# Altium PCB PCBrm.PcbDoc (part 3 of 7)
Units mm, origin at the board's own origin, x right, y up, seen from the top; angles counter-clockwise.
Board outline 220.73 x 137.67 mm, 2 copper layers (Top Layer, Bottom Layer); 138 components, 115 nets, 746 pads, 210 vias.
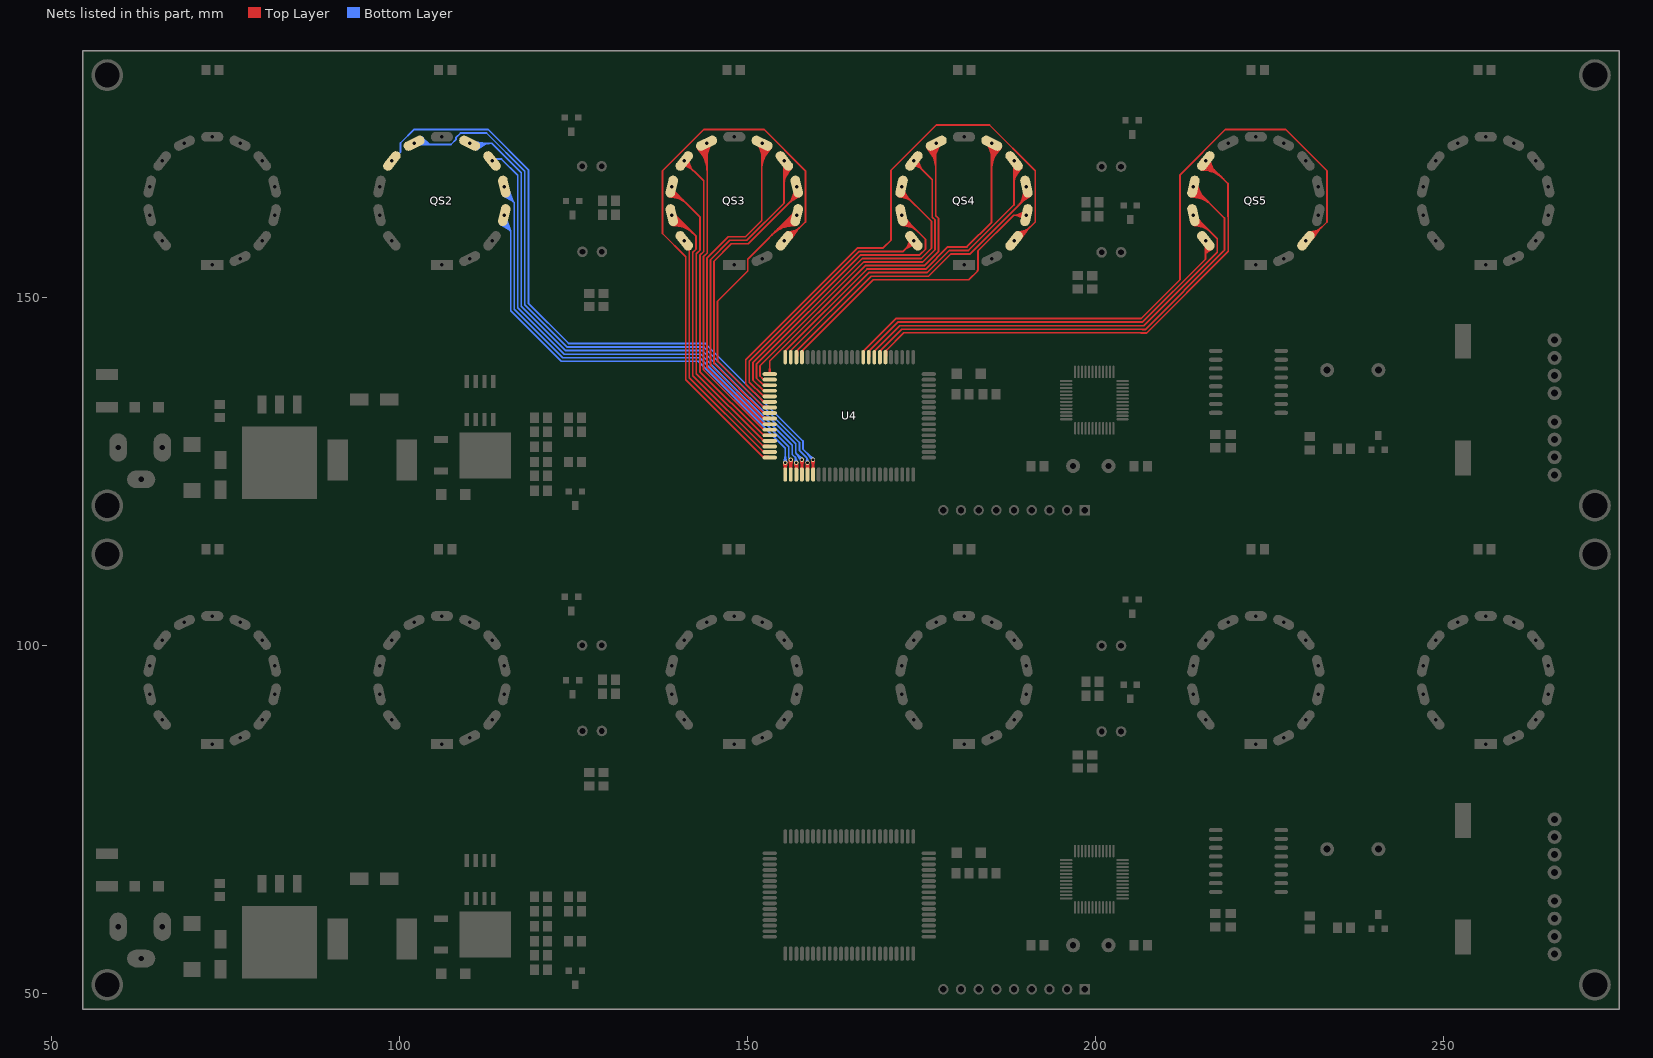
[diagram p3: the nets of this part, all layers, seen from the top]

## Via types
v1: diameter 1.27, hole 0.711, Top Layer to Bottom Layer, 118 vias
v2: diameter 1.016, hole 0.711, Top Layer to Bottom Layer, 52 vias
v3: diameter 0.61, hole 0.381, Top Layer to Bottom Layer, 40 vias

## Nets (pads, with @x,y where several pads share a name; then routed paths per layer and width w, separated by ;. In a path a pad name is that pad's centre, name@x,y a point inside that pad or via, vN(x,y) a via of type N, cw(c..) or ccw(c..) an arc to the next point about the centre after c; other vN are vias at no path point) (continued)
QS2-4: QS2.10 U4.6 | length 124.4
  Top Layer w0.254: v3@159.207,126.707 159.286,125.633 ; v3@159.21,126.672 159.497,125.639 ; v3@159.213,126.662 159.377,126.377 ; v3@159.219,126.643 159.406,126.398 ; U4.6@159.244,125.34 159.392,126.367 ; v3@159.259,126.58 cw(c158.939,126.259) 159.392,126.259 ; U4.6@159.287,125.434 ccw(c159.035,125.687) 159.392,125.687 ccw(c159.749,125.687) U4.6@159.497,125.434 ; U4.6@159.392,124.58 159.392,126.698 v3(159.385,126.705) ; U4.6@159.392,125.33 159.392,126.367 ; 159.392,126.293 cw(c159.797,126.293) v3@159.511,126.58 ; U4.6@159.54,125.34 159.392,126.367 ; v3@159.555,126.653 159.377,126.377 ; v3@159.558,126.666 159.406,126.398 ; v3@159.56,126.675 159.286,125.633 ; v3@159.563,126.709 159.497,125.639 ; v3@159.214,126.655 159.392,126.367 ; v3@159.214,126.655 159.392,126.367 ; v3@159.214,126.655 159.392,126.367 ; 159.286,125.633 v3(159.385,126.705) ; 159.377,126.377 v3(159.385,126.705) ; v3(159.385,126.705) 159.392,125.639 ; v3(159.385,126.705) 159.392,125.639 ; v3(159.385,126.705) 159.392,126.367 ; v3(159.385,126.705) 159.392,126.367 ; v3(159.385,126.705) 159.497,125.639 ; v3(159.385,126.705) 159.392,126.367 ; v3(159.385,126.705) 159.406,126.398 ; 159.392,125.639 159.208,126.689 159.392,125.639 ; 159.392,125.639 159.562,126.692 159.392,125.639 ; 159.392,126.367 v3@159.558,126.662 ; 159.392,126.367 v3@159.558,126.662 ; 159.392,126.367 v3@159.558,126.662
  Bottom Layer w0.254: QS2.10@98.832,169.602 100.126,170.896 100.126,172.206 102.069,174.149 112.692,174.149 118.491,168.35 118.491,149.17 124.268,143.393 143.929,143.393 157.932,129.39 157.932,128.246 159.385,126.793 v3(159.385,126.705) ; 159.019,127.159 cw(c158.565,126.705) v3@159.207,126.705 ; v3@159.227,126.625 159.121,127.026 ; v3@159.244,126.597 158.592,127.587 ; v3@159.41,126.68 v3(159.385,126.705) ; v3@159.495,126.845 159.121,127.026 ; v3@159.508,126.834 158.592,127.587 ; 158.592,127.587 v3(159.385,126.705) ; 159.121,127.026 v3(159.385,126.705)
QS2-5: QS2.9 U4.5 | length 118.1
  Top Layer w0.254: v3@158.415,126.257 U4.5@158.592,125.33 ; v3@158.415,126.259 158.592,125.207 v3@158.769,126.259 ; v3@158.415,126.285 U4.5@158.444,125.341 ; v3@158.42,126.229 U4.5@158.74,125.341 ; v3@158.419,126.232 158.577,125.955 ; v3@158.424,126.216 158.607,125.955 ; v3@158.466,126.148 cw(c158.163,125.844) 158.592,125.844 cw(c159.021,125.844) v3@158.718,126.148 ; U4.5@158.487,125.434 ccw(c158.235,125.687) 158.592,125.687 ccw(c158.949,125.687) U4.5@158.697,125.434 ; U4.5@158.592,124.58 v3(158.592,126.274) ; v3@158.76,126.216 158.577,125.955 ; v3@158.764,126.229 U4.5@158.444,125.341 ; v3@158.765,126.232 158.607,125.955 ; v3@158.769,126.257 U4.5@158.592,125.33 ; v3@158.769,126.285 U4.5@158.74,125.341 ; U4.5@158.444,125.341 v3(158.592,126.274) ; U4.5@158.444,125.341 v3(158.592,126.274) ; 158.577,125.955 v3(158.592,126.274) ; U4.5@158.592,125.33 v3(158.592,126.274) ; v3(158.592,126.274) 158.607,125.955 ; v3(158.592,126.274) U4.5@158.74,125.341
  Bottom Layer w0.254: QS2.9@102.033,172.155 102.203,171.985 107.373,171.985 108.11,172.722 108.11,172.999 108.752,173.641 112.482,173.641 117.983,168.14 117.983,148.959 124.058,142.885 143.719,142.885 157.424,129.18 157.424,128.036 158.471,126.989 ; QS2.9@102.786,171.998 104.356,171.985 ; QS2.9@102.809,172.253 104.356,171.985 ; QS2.9@102.895,172.56 104.356,171.985 ; QS2.9@103.041,172.844 104.356,171.985 ; QS2.9@103.199,173.046 104.356,171.985 ; v3@158.414,126.266 158.471,126.989 ; v3@158.414,126.273 158.5,126.77 ; v3@158.592,126.372 v3(158.592,126.274) ; v3@158.717,126.4 cw(c159.299,126.989) 158.471,126.989 ; v3@158.758,126.336 158.5,126.77 ; v3@158.762,126.325 158.471,126.989 ; 158.471,126.989 v3(158.592,126.274) ; 158.471,126.989 158.471,126.395 v3(158.592,126.274) ; 158.5,126.77 v3(158.592,126.274)
QS2-6: QS2.7 U4.4 | length 134.2
  Top Layer w0.254: v3@157.607,126.707 157.686,125.633 ; v3@157.61,126.672 157.897,125.639 ; v3@157.612,126.662 157.777,126.376 ; v3@157.618,126.643 157.806,126.398 ; U4.4@157.644,125.34 157.792,126.367 ; v3@157.659,126.58 cw(c157.338,126.259) 157.792,126.259 ; U4.4@157.687,125.434 ccw(c157.435,125.687) 157.792,125.687 ccw(c158.149,125.687) U4.4@157.897,125.434 ; U4.4@157.792,124.58 157.792,126.698 v3(157.785,126.705) ; U4.4@157.792,125.33 157.792,126.367 ; 157.792,126.294 cw(c158.197,126.294) v3@157.911,126.58 ; U4.4@157.94,125.34 157.792,126.367 ; v3@157.955,126.653 157.777,126.376 ; v3@157.958,126.666 157.806,126.398 ; v3@157.96,126.675 157.686,125.633 ; v3@157.963,126.709 157.897,125.639 ; v3@157.614,126.655 157.792,126.367 ; v3@157.614,126.655 157.792,126.367 ; v3@157.614,126.655 157.792,126.367 ; 157.686,125.633 v3(157.785,126.705) ; 157.777,126.376 v3(157.785,126.705) ; v3(157.785,126.705) 157.792,125.639 ; v3(157.785,126.705) 157.792,125.639 ; v3(157.785,126.705) 157.792,126.367 ; v3(157.785,126.705) 157.792,126.367 ; v3(157.785,126.705) 157.897,125.639 ; v3(157.785,126.705) 157.792,126.367 ; v3(157.785,126.705) 157.806,126.398 ; 157.792,125.639 157.608,126.689 157.792,125.639 ; 157.792,125.639 157.962,126.692 157.792,125.639 ; 157.792,126.367 v3@157.957,126.662 ; 157.792,126.367 v3@157.957,126.662 ; 157.792,126.367 v3@157.957,126.662
  Bottom Layer w0.254: QS2.7@110.017,172.155 113.25,172.155 117.475,167.93 117.475,148.749 123.847,142.377 143.509,142.377 156.916,128.969 156.916,127.659 157.785,126.79 v3(157.785,126.705) ; QS2.7@110.836,172.095 112.459,172.155 ; QS2.7@110.838,172.096 111.996,172.083 ; QS2.7@110.846,172.351 112.459,172.155 ; QS2.7@110.862,172.098 112.289,172.013 ; QS2.7@110.87,172.352 111.996,172.083 ; QS2.7@110.874,171.718 cw(c111.927,170.664) 111.927,172.155 ; QS2.7@110.9,172.352 112.289,172.013 ; QS2.7@110.965,171.472 112.289,172.013 ; QS2.7@110.982,171.478 112.459,172.155 ; QS2.7@111.004,171.486 111.996,172.083 ; QS2.7@111.053,171.538 cw(c112.54,170.051) 112.54,172.155 ; QS2.7@111.083,171.244 112.289,172.013 ; QS2.7@111.107,171.254 112.459,172.155 ; QS2.7@111.161,171.281 111.996,172.083 ; QS2.7@111.233,171.359 cw(c113.154,169.438) 113.154,172.155 ; 157.421,127.154 cw(c156.973,126.705) v3@157.607,126.705 ; v3@157.627,126.624 157.522,127.023 ; v3@157.644,126.597 156.996,127.58 ; v3@157.894,126.846 157.522,127.023 ; v3@157.907,126.834 156.996,127.58 ; QS2.7@110.878,171.779 112.459,172.155 ; QS2.7@110.878,171.779 111.996,172.083 ; QS2.7@110.878,171.779 112.289,172.013 ; 156.996,127.58 v3(157.785,126.705) ; 157.522,127.023 v3(157.785,126.705)
QS2-7: QS2.6 U4.3 | length 94.4
  Top Layer w0.254: v3@156.815,126.257 U4.3@156.992,125.33 ; v3@156.815,126.259 156.992,125.207 v3@157.169,126.259 ; v3@156.815,126.285 U4.3@156.844,125.341 ; v3@156.82,126.229 U4.3@157.14,125.341 ; v3@156.819,126.232 156.977,125.955 ; v3@156.824,126.216 157.007,125.955 ; v3@156.866,126.148 cw(c156.563,125.844) 156.992,125.844 cw(c157.421,125.844) v3@157.118,126.148 ; U4.3@156.887,125.434 ccw(c156.635,125.687) 156.992,125.687 ccw(c157.349,125.687) U4.3@157.097,125.434 ; U4.3@156.992,124.58 v3(156.992,126.274) ; v3@157.16,126.216 156.977,125.955 ; v3@157.164,126.229 U4.3@156.844,125.341 ; v3@157.165,126.232 157.007,125.955 ; v3@157.169,126.257 U4.3@156.992,125.33 ; v3@157.169,126.285 U4.3@157.14,125.341 ; U4.3@156.844,125.341 v3(156.992,126.274) ; U4.3@156.844,125.341 v3(156.992,126.274) ; 156.977,125.955 v3(156.992,126.274) ; U4.3@156.992,125.33 v3(156.992,126.274) ; v3(156.992,126.274) 157.007,125.955 ; v3(156.992,126.274) U4.3@157.14,125.341
  Bottom Layer w0.254: QS2.6@113.728,169.898 114.617,169.898 116.967,167.549 116.967,148.538 123.637,141.869 143.298,141.869 156.408,128.759 156.408,127.449 156.878,126.979 ; v3@156.814,126.267 156.878,126.979 ; v3@156.814,126.275 156.906,126.767 ; v3@156.992,126.372 v3(156.992,126.274) ; v3@157.118,126.399 cw(c157.697,126.979) 156.878,126.979 ; v3@157.159,126.335 156.906,126.767 ; v3@157.163,126.324 156.878,126.979 ; 156.878,126.979 v3(156.992,126.274) ; 156.878,126.979 156.878,126.388 v3(156.992,126.274) ; 156.906,126.767 v3(156.992,126.274)
QS2-8: QS2.5 U4.2 | length 106.6
  Top Layer w0.254: v3@156.014,126.698 156.086,125.626 ; v3@156.017,126.663 156.298,125.626 ; v3@156.019,126.653 156.177,126.377 ; v3@156.024,126.638 156.207,126.377 ; U4.2@156.044,125.34 156.192,126.367 ; v3@156.066,126.569 cw(c155.763,126.266) 156.192,126.266 cw(c156.621,126.266) v3@156.318,126.569 ; U4.2@156.087,125.434 ccw(c155.835,125.687) 156.192,125.687 ccw(c156.549,125.687) U4.2@156.297,125.434 ; U4.2@156.192,124.58 v3(156.192,126.695) ; U4.2@156.192,125.33 156.192,126.367 ; U4.2@156.34,125.34 156.192,126.367 ; v3@156.36,126.638 156.177,126.377 ; v3@156.365,126.653 156.207,126.377 ; v3@156.367,126.663 156.086,125.626 ; v3@156.37,126.698 156.298,125.626 ; v3@156.021,126.647 156.192,126.367 ; v3@156.021,126.647 156.192,126.367 ; v3@156.021,126.647 156.192,126.367 ; 156.086,125.626 v3(156.192,126.695) ; 156.177,126.377 v3(156.192,126.695) ; 156.192,125.628 156.015,126.68 156.192,125.628 ; 156.192,125.628 156.369,126.68 156.192,125.628 ; 156.192,126.367 v3@156.363,126.647 ; 156.192,126.367 v3(156.192,126.695) ; 156.192,126.367 v3@156.363,126.647 ; 156.192,126.367 v3(156.192,126.695) ; 156.192,126.367 v3@156.363,126.647 ; v3(156.192,126.695) 156.298,125.626 ; v3(156.192,126.695) 156.207,126.377
  Bottom Layer w0.254: QS2.5@114.879,164.61 116.33,163.774 ; QS2.5@114.922,164.577 115.993,164.192 ; QS2.5@114.994,165.913 114.994,165.11 116.459,163.646 116.459,148.328 123.426,141.361 143.088,141.361 155.9,128.548 155.9,126.987 v3(156.192,126.695) ; QS2.5@115.023,164.822 116.33,163.774 ; QS2.5@115.037,164.809 115.993,164.192 ; QS2.5@115.195,164.462 cw(c115.195,163.382) 115.959,164.146 ; QS2.5@115.507,165.233 116.33,163.774 ; QS2.5@115.513,165.224 115.993,164.192 ; QS2.5@115.514,165.035 ccw(c116.586,165.035) 115.828,164.277 ; QS2.5@115.739,165.342 116.33,163.774 ; QS2.5@115.758,165.306 115.993,164.192 ; QS2.5@115.768,165.035 ccw(c117.454,165.035) 116.261,163.843 ; 115.993,164.192 115.245,165.051 116.33,163.774
QS2-9: QS2.4 U4.1 | length 102.2
  Top Layer w0.254: v3@155.215,126.259 155.392,125.207 v3@155.569,126.259 ; v3@155.215,126.285 U4.1@155.244,125.341 ; v3@155.215,126.257 U4.1@155.392,125.33 ; v3@155.22,126.229 U4.1@155.54,125.341 ; v3@155.219,126.232 155.377,125.955 ; v3@155.224,126.216 155.407,125.955 ; v3@155.266,126.148 cw(c154.963,125.844) 155.392,125.844 cw(c155.821,125.844) v3@155.518,126.148 ; U4.1@155.287,125.434 ccw(c155.035,125.687) 155.392,125.687 ccw(c155.749,125.687) U4.1@155.497,125.434 ; U4.1@155.392,124.58 v3(155.392,126.274) ; v3@155.56,126.216 155.377,125.955 ; v3@155.564,126.229 U4.1@155.244,125.341 ; v3@155.565,126.232 155.407,125.955 ; v3@155.569,126.257 U4.1@155.392,125.33 ; v3@155.569,126.285 U4.1@155.54,125.341 ; U4.1@155.244,125.341 v3(155.392,126.274) ; 155.377,125.955 v3(155.392,126.274) ; U4.1@155.392,125.33 v3(155.392,126.274) ; v3(155.392,126.274) 155.407,125.955 ; v3(155.392,126.274) U4.1@155.54,125.341
  Bottom Layer w0.254: QS2.4@114.457,160.534 115.913,159.586 ; QS2.4@114.487,160.508 115.629,159.964 ; QS2.4@114.612,160.738 115.913,159.586 ; QS2.4@114.622,160.728 115.629,159.964 ; QS2.4@114.794,160.368 cw(c114.794,159.555) 115.369,160.13 ; QS2.4@114.994,161.818 114.994,160.504 115.951,159.548 115.951,148.118 123.216,140.853 142.877,140.853 155.392,128.338 v3(155.392,126.274) ; QS2.4@115.113,160.941 ccw(c116.454,160.941) 115.506,159.993 ; QS2.4@115.113,161.128 115.913,159.586 ; QS2.4@115.118,161.121 115.629,159.964 ; QS2.4@115.349,161.229 115.913,159.586 ; QS2.4@115.363,161.2 115.629,159.964 ; QS2.4@115.367,160.941 ccw(c117.321,160.941) 115.939,159.559 ; v3@155.215,126.288 155.392,127.34 v3@155.569,126.288 ; v3@155.219,126.315 155.377,126.592 ; v3@155.224,126.331 155.407,126.592 ; v3@155.266,126.399 ccw(c154.963,126.703) 155.392,126.703 ccw(c155.821,126.703) v3@155.518,126.399 ; v3@155.56,126.331 155.377,126.592 ; v3@155.565,126.315 155.407,126.592 ; 115.629,159.964 114.845,160.956 115.913,159.586 ; 155.377,126.592 v3(155.392,126.274) ; v3(155.392,126.274) 155.407,126.592
QS3-0: QS3.3 U4.80 | length 109.9
  Top Layer w0.254: U4.80@152.336,127.129 cw(c152.253,127.256) 152.145,127.149 ; U4.80@153.167,127.005 153.023,127.149 152.145,127.149 ; QS3.3@155.218,158.13 155.566,158.13 158.289,160.852 158.289,168.218 152.36,174.147 143.69,174.147 137.761,168.218 137.761,159.201 141.097,155.865 141.097,138.197 152.145,127.149 ; QS3.3@155.587,159.367 156.939,159.683 ; QS3.3@155.615,159.38 157.114,159.677 ; QS3.3@155.669,159.124 156.939,159.683 ; QS3.3@155.671,159.399 156.756,159.414 ; QS3.3@155.686,159.133 157.114,159.677 ; QS3.3@155.705,159.142 156.756,159.414 ; QS3.3@155.779,158.898 ccw(c155.779,160.24) 156.728,159.291 ; QS3.3@155.779,159.152 ccw(c155.779,161.107) 157.161,159.725 ; QS3.3@155.779,159.406 ccw(c155.779,161.974) 157.595,160.158 ; QS3.3@156.03,158.6 157.114,159.677 ; QS3.3@156.034,158.603 156.756,159.414 ; QS3.3@156.05,158.617 156.939,159.683 ; QS3.3@156.225,158.434 157.114,159.677 ; QS3.3@156.247,158.455 156.756,159.414 ; QS3.3@156.261,158.472 156.939,159.683 ; QS3.3@155.83,158.848 157.114,159.677 ; QS3.3@155.83,158.848 156.939,159.683 ; QS3.3@155.83,158.848 156.756,159.414
QS3-1: QS3.13 U4.79 | length 36.2
  Top Layer w0.254: QS3.13@140.832,158.13 141.605,157.357 141.605,138.489 152.145,127.949 ; U4.79@152.336,127.929 cw(c152.253,128.056) 152.145,127.949 ; U4.79@153.167,127.805 153.023,127.949 152.145,127.949
QS3-2: QS3.12 U4.78 | length 94.8
  Top Layer w0.254: QS3.12@139.099,160.422 140.5,160.184 ; QS3.12@139.162,160.402 140.83,160.264 ; QS3.12@139.165,160.671 140.5,160.184 ; QS3.12@139.203,160.654 140.83,160.264 ; QS3.12@139.233,160.388 140.737,160.482 ; QS3.12@139.239,160.644 140.737,160.482 ; QS3.12@139.256,160.368 cw(c139.256,156.064) 142.299,159.107 ; QS3.12@139.256,160.622 cw(c139.256,156.931) 141.866,159.541 ; QS3.12@139.256,160.876 cw(c139.256,157.799) 141.432,159.975 ; QS3.12@139.256,161.13 cw(c139.256,158.666) 140.998,160.408 ; QS3.12@139.256,161.384 cw(c139.256,159.533) 140.565,160.842 ; QS3.12@139.256,161.638 cw(c139.256,160.4) 140.131,161.275 ; QS3.12@139.256,161.892 cw(c139.256,161.267) QS3.12@139.698,161.709 ; QS3.12@139.278,160.638 140.739,160.668 ; QS3.12@139.299,161.275 140.181,161.136 ; QS3.12@139.306,160.383 140.739,160.668 ; QS3.12@139.308,160.637 140.488,160.8 ; QS3.12@139.37,160.387 140.488,160.8 ; QS3.12@139.378,161.525 140.181,161.136 ; QS3.12@139.391,161.264 140.488,160.8 ; QS3.12@139.403,161.26 140.739,160.668 ; QS3.12@139.426,160.66 140.181,161.136 ; QS3.12@139.439,161.247 140.737,160.482 ; QS3.12@139.466,161.233 140.83,160.264 ; QS3.12@139.509,161.203 140.5,160.184 ; QS3.12@139.516,161.489 140.488,160.8 ; QS3.12@139.528,161.485 140.739,160.668 ; QS3.12@139.587,161.456 140.737,160.482 ; QS3.12@139.588,161.818 142.591,158.816 142.591,156.97 142.113,156.492 142.113,138.781 152.145,128.749 ; QS3.12@139.596,160.462 140.181,161.136 ; QS3.12@139.63,161.43 140.83,160.264 ; QS3.12@139.709,161.365 140.5,160.184 ; U4.78@152.336,128.729 cw(c152.253,128.856) 152.145,128.749 ; U4.78@153.167,128.605 153.023,128.749 152.145,128.749 ; QS3.12@139.307,160.956 140.739,160.668 ; QS3.12@139.307,160.956 140.737,160.482 ; QS3.12@139.307,160.956 140.83,160.264 ; QS3.12@139.307,160.956 140.5,160.184 ; QS3.12@139.307,160.956 140.181,161.136 ; QS3.12@139.307,160.956 140.488,160.8
  Top Layer w0.381: QS3.12@139.056,161.818 QS3.12@139.588,161.818
QS3-3: QS3.11 U4.77 | length 78.3
  Top Layer w0.254: QS3.11@138.68,164.524 140.212,164.176 ; QS3.11@138.739,164.502 140.228,164.349 ; QS3.11@138.757,164.769 140.212,164.176 ; QS3.11@138.787,164.754 140.228,164.349 ; QS3.11@138.833,164.482 140.101,164.607 ; QS3.11@138.834,164.74 140.101,164.607 ; QS3.11@138.844,164.738 139.921,164.685 ; QS3.11@138.855,164.462 cw(c138.855,161.105) 141.23,163.479 ; QS3.11@138.855,164.716 cw(c138.855,161.972) 140.796,163.913 ; QS3.11@138.855,164.97 cw(c138.855,162.839) 140.362,164.346 ; QS3.11@138.855,165.224 cw(c138.855,163.706) 139.929,164.78 ; QS3.11@138.862,164.479 139.921,164.685 ; QS3.11@139.054,165.333 140.101,164.607 ; QS3.11@139.056,165.913 139.056,165.653 143.162,161.546 143.162,156.823 142.621,156.282 142.621,139.073 152.145,129.549 ; QS3.11@139.058,165.331 139.921,164.685 ; QS3.11@139.085,165.315 140.228,164.349 ; QS3.11@139.11,165.296 140.212,164.176 ; QS3.11@139.221,165.529 140.101,164.607 ; QS3.11@139.237,165.519 139.921,164.685 ; QS3.11@139.267,165.496 140.228,164.349 ; QS3.11@139.307,165.461 140.212,164.176 ; U4.77@152.336,129.529 cw(c152.253,129.656) 152.145,129.549 ; U4.77@153.167,129.405 153.023,129.549 152.145,129.549 ; QS3.11@138.906,165.051 140.101,164.607 ; QS3.11@138.906,165.051 140.228,164.349 ; QS3.11@138.906,165.051 140.212,164.176 ; QS3.11@138.906,165.051 139.921,164.685
QS3-4: QS3.10 U4.76 | length 66.4
  Top Layer w0.254: QS3.10@140.55,169.151 141.888,168.546 ; QS3.10@140.564,169.141 141.524,168.843 ; QS3.10@140.611,169.113 141.59,168.91 ; QS3.10@140.673,169.377 141.524,168.843 ; QS3.10@140.675,169.375 141.888,168.546 ; QS3.10@140.696,169.358 141.59,168.91 ; QS3.10@140.832,169.029 cw(c140.832,167.645) 141.81,168.624 cw(c142.788,169.602) QS3.10@141.405,169.602 ; QS3.10@140.832,169.283 cw(c140.832,168.513) 141.377,169.057 cw(c141.921,169.602) QS3.10@141.151,169.602 ; QS3.10@140.832,169.602 143.67,166.764 143.67,156.612 143.129,156.071 143.129,139.365 152.145,130.349 ; QS3.10@141.138,169.809 141.888,168.546 ; QS3.10@141.142,169.804 141.59,168.91 ; QS3.10@141.158,169.779 141.524,168.843 ; QS3.10@141.369,169.92 141.888,168.546 ; QS3.10@141.387,169.889 141.59,168.91 ; QS3.10@141.41,169.841 141.524,168.843 ; U4.76@152.336,130.329 cw(c152.253,130.456) 152.145,130.349 ; U4.76@153.167,130.205 153.023,130.349 152.145,130.349 ; QS3.10@140.883,169.617 141.888,168.546 ; QS3.10@140.883,169.617 141.59,168.91 ; QS3.10@140.883,169.617 141.524,168.843
QS3-5: QS3.9 U4.75 | length 105.6
  Top Layer w0.254: QS3.9@142.748,171.55 143.6,170.318 ; QS3.9@142.787,171.476 143.794,170.405 ; QS3.9@142.817,171.359 cw(c139.532,168.073) 144.178,168.073 ; QS3.9@142.971,171.677 143.6,170.318 ; QS3.9@142.989,171.635 143.794,170.405 ; QS3.9@142.997,171.538 cw(c140.145,168.686) 144.178,168.686 ; QS3.9@143.176,171.718 cw(c140.758,169.3) 144.178,169.3 ; QS3.9@143.356,171.898 cw(c141.371,169.913) 144.178,169.913 ; QS3.9@143.514,172.112 143.968,170.481 ; QS3.9@143.521,172.063 144.083,170.639 ; QS3.9@143.529,172.029 144.178,170.627 ; QS3.9@143.535,172.007 144.103,171.094 ; QS3.9@143.536,172.077 cw(c141.984,170.526) 144.178,170.526 ; QS3.9@143.582,171.859 143.794,170.405 ; QS3.9@143.59,171.815 143.6,170.318 ; QS3.9@143.715,172.257 cw(c142.598,171.139) 144.178,171.139 ; QS3.9@143.765,172.162 143.968,170.481 ; QS3.9@143.767,172.137 144.083,170.639 ; QS3.9@143.77,172.117 144.103,171.094 ; QS3.9@143.769,172.118 144.178,170.627 ; QS3.9@143.838,171.874 143.794,170.405 ; QS3.9@143.846,171.795 143.6,170.318 ; QS3.9@143.895,172.436 cw(c143.211,171.752) QS3.9@144.178,171.752 ; QS3.9@144.033,172.155 144.178,172.01 144.178,156.402 143.637,155.861 143.637,139.657 152.145,131.149 ; QS3.9@144.399,172.118 143.968,170.481 ; QS3.9@144.4,172.128 144.103,171.094 ; QS3.9@144.401,172.136 144.083,170.639 ; QS3.9@144.403,172.156 144.178,170.627 ; QS3.9@144.639,172.027 144.103,171.094 ; QS3.9@144.641,172.034 143.968,170.481 ; QS3.9@144.647,172.062 144.083,170.639 ; QS3.9@144.653,172.098 144.178,170.627 ; U4.75@152.336,131.129 cw(c152.253,131.256) 152.145,131.149 ; U4.75@153.167,131.005 153.023,131.149 152.145,131.149 ; 143.6,170.318 143.273,171.779 143.794,170.405 ; 143.968,170.481 QS3.9@144.084,172.17 ; 144.083,170.639 QS3.9@144.084,172.17 ; QS3.9@144.084,172.17 144.178,170.627 ; QS3.9@144.084,172.17 144.103,171.094
QS3-6: QS3.7 U4.74 | length 103.9
  Top Layer w0.254: QS3.7@151.501,172.082 152.017,170.631 ; QS3.7@151.508,172.046 152.143,170.499 ; QS3.7@151.511,172.032 152.096,170.861 ; QS3.7@151.529,171.973 152.075,171.316 ; QS3.7@151.749,172.147 152.017,170.631 ; QS3.7@151.752,172.125 152.143,170.499 ; QS3.7@151.752,172.124 152.096,170.861 ; QS3.7@151.755,172.108 152.075,171.316 ; 152.017,168.423 cw(c156.169,168.423) QS3.7@153.233,171.359 ; 152.017,169.036 cw(c155.555,169.036) QS3.7@153.053,171.538 ; 152.017,169.649 cw(c154.942,169.649) QS3.7@152.874,171.718 ; 152.017,170.263 cw(c154.329,170.263) QS3.7@152.694,171.898 ; 152.017,170.876 cw(c153.716,170.876) QS3.7@152.514,172.077 ; QS3.7@152.017,171.489 cw(c153.103,171.489) QS3.7@152.335,172.257 ; QS3.7@152.017,172.102 cw(c152.489,172.102) QS3.7@152.155,172.436 ; QS3.7@152.017,172.155 152.017,161.069 149.681,158.733 147.228,158.733 144.145,155.65 144.145,139.949 152.145,131.949 ; QS3.7@152.307,171.82 152.489,170.347 ; QS3.7@152.318,171.897 152.302,170.429 ; U4.74@152.336,131.929 cw(c152.253,132.056) 152.145,131.949 ; QS3.7@152.381,172.113 152.075,171.316 ; QS3.7@152.384,172.126 152.017,170.631 ; QS3.7@152.385,172.138 152.096,170.861 ; QS3.7@152.386,172.154 152.143,170.499 ; QS3.7@152.563,171.829 152.489,170.347 ; QS3.7@152.573,171.872 152.302,170.429 ; QS3.7@152.609,171.982 152.075,171.316 ; QS3.7@152.627,172.045 152.017,170.631 ; QS3.7@152.629,172.056 152.096,170.861 ; QS3.7@152.636,172.097 152.143,170.499 ; QS3.7@153.156,171.623 152.302,170.429 ; U4.74@153.167,131.805 153.023,131.949 152.145,131.949 ; QS3.7@153.175,171.663 152.489,170.347 ; QS3.7@153.351,171.456 152.302,170.429 ; QS3.7@153.392,171.525 152.489,170.347 ; 152.017,170.631 QS3.7@152.068,172.17 ; QS3.7@152.068,172.17 152.096,170.861 ; QS3.7@152.068,172.17 152.143,170.499 ; QS3.7@152.068,172.17 152.075,171.316 ; 152.302,170.429 152.878,171.779 152.489,170.347
QS3-7: QS3.6 U4.73 | length 86.9
  Top Layer w0.254: U4.73@152.336,132.729 cw(c152.253,132.856) 152.145,132.749 ; U4.73@153.167,132.605 153.023,132.749 152.145,132.749 ; 155.218,166.16 cw(c158.517,166.16) QS3.6@156.184,168.493 ; 155.218,166.773 cw(c157.904,166.773) QS3.6@156.005,168.672 ; 155.218,167.386 cw(c157.291,167.386) QS3.6@155.825,168.852 ; 155.218,168 cw(c156.677,168) QS3.6@155.645,169.032 ; QS3.6@155.218,169.602 155.218,163.552 149.891,158.225 147.438,158.225 144.653,155.44 144.653,140.241 152.145,132.749 ; QS3.6@155.259,168.96 155.407,167.26 ; QS3.6@155.264,169.003 155.309,167.468 ; QS3.6@155.274,169.051 155.288,167.923 ; QS3.6@155.276,169.062 155.218,167.743 ; QS3.6@155.309,169.153 155.268,168.377 ; QS3.6@155.515,168.963 155.407,167.26 ; QS3.6@155.52,168.99 155.309,167.468 ; QS3.6@155.531,169.025 155.288,167.923 ; QS3.6@155.531,169.026 155.218,167.743 ; QS3.6@155.567,169.094 155.268,168.377 ; QS3.6@155.998,168.642 155.268,168.377 ; QS3.6@156.044,168.382 155.268,168.377 ; QS3.6@156.085,168.722 155.288,167.923 ; QS3.6@156.093,168.732 155.218,167.743 ; QS3.6@156.117,168.775 155.309,167.468 ; QS3.6@156.13,168.806 155.407,167.26 ; QS3.6@156.246,168.52 155.288,167.923 ; QS3.6@156.268,168.544 155.218,167.743 ; QS3.6@156.323,168.622 155.309,167.468 ; QS3.6@156.353,168.68 155.407,167.26 ; 155.218,167.743 QS3.6@155.83,168.913 ; 155.268,168.377 QS3.6@155.83,168.913 ; 155.288,167.923 QS3.6@155.83,168.913 ; 155.309,167.468 QS3.6@155.83,168.913 ; 155.407,167.26 QS3.6@155.83,168.913
QS3-8: QS3.5 U4.72 | length 61.3
  Top Layer w0.254: U4.72@152.336,133.529 cw(c152.253,133.656) 152.145,133.549 ; U4.72@153.167,133.405 153.023,133.549 152.145,133.549 ; 156.057,163.673 ccw(c154.695,165.035) QS3.5@156.622,165.035 ; 156.491,164.107 ccw(c155.562,165.035) QS3.5@156.876,165.035 ; 156.601,164.216 cw(c157.195,163.622) QS3.5@157.195,164.462 ; QS3.5@156.747,165.332 156.363,164.072 ; QS3.5@156.752,165.342 156.163,163.779 ; QS3.5@156.984,165.233 156.163,163.779 ; QS3.5@156.984,165.234 156.363,164.072 ; QS3.5@156.994,165.913 157.353,165.554 157.353,164.969 150.102,157.717 147.649,157.717 145.161,155.23 145.161,140.533 152.145,133.549 ; QS3.5@157.455,164.81 156.363,164.072 ; QS3.5@157.467,164.822 156.163,163.779 ; QS3.5@157.577,164.584 156.363,164.072 ; QS3.5@157.612,164.61 156.163,163.779 ; 156.163,163.779 157.245,165.051 156.363,164.072
QS3-9: QS3.4 U4.71 | length 112.5
  Top Layer w0.254: U4.71@152.336,134.329 cw(c152.253,134.456) 152.145,134.349 ; U4.71@153.167,134.205 153.023,134.349 152.145,134.349 ; 153.474,158.993 cw(c156.794,155.673) QS3.4@156.794,160.368 ; 153.908,159.426 cw(c156.794,156.54) QS3.4@156.794,160.622 ; 154.342,159.86 cw(c156.794,157.408) QS3.4@156.794,160.876 ; 154.775,160.294 cw(c156.794,158.275) QS3.4@156.794,161.13 ; 155.209,160.727 cw(c156.794,159.142) QS3.4@156.794,161.384 ; 155.642,161.161 cw(c156.794,160.009) QS3.4@156.794,161.638 ; 156.076,161.595 cw(c156.794,160.876) QS3.4@156.794,161.892 ; QS3.4@156.439,160.552 155.98,161.42 ; QS3.4@156.458,161.379 155.61,160.216 ; QS3.4@156.544,161.444 155.296,160.337 ; QS3.4@156.597,161.473 155.378,160.569 ; QS3.4@156.646,160.419 155.673,161.084 ; QS3.4@156.651,160.703 155.98,161.42 ; QS3.4@156.652,161.21 155.61,160.216 ; QS3.4@156.661,161.499 155.463,160.791 ; QS3.4@156.673,161.503 155.228,160.747 ; QS3.4@156.699,161.24 155.296,160.337 ; QS3.4@156.732,161.254 155.378,160.569 ; QS3.4@156.767,161.524 155.673,161.084 ; QS3.4@156.768,160.647 155.673,161.084 ; QS3.4@156.771,161.266 155.463,160.791 ; QS3.4@156.773,161.267 155.228,160.747 ; QS3.4@156.777,162.34 156.286,161.756 ; QS3.4@156.795,160.385 155.463,160.791 ; QS3.4@156.817,160.384 155.228,160.747 ; QS3.4@156.836,161.275 155.673,161.084 ; QS3.4@156.846,160.637 155.463,160.791 ; QS3.4@156.855,160.637 155.228,160.747 ; QS3.4@156.884,160.384 155.378,160.569 ; QS3.4@156.885,161.283 156.286,161.756 ; QS3.4@156.893,160.641 155.378,160.569 ; QS3.4@156.934,160.65 155.296,160.337 ; QS3.4@156.947,162.137 156.286,161.756 ; QS3.4@156.948,161.258 155.98,161.42 ; QS3.4@156.956,161.518 155.98,161.42 ; QS3.4@156.963,160.395 155.296,160.337 ; QS3.4@156.978,160.666 155.61,160.216 ; QS3.4@156.994,161.818 156.3,161.818 ; QS3.4@157.011,161.516 156.286,161.756 ; QS3.4@157.036,160.416 155.61,160.216 ; 152.145,134.349 145.669,140.825 145.669,149.471 150.006,153.808 150.006,155.525 156.3,161.818 ; 155.228,160.747 QS3.4@156.845,160.956 ; 155.296,160.337 QS3.4@156.845,160.956 ; 155.378,160.569 QS3.4@156.845,160.956 ; 155.463,160.791 QS3.4@156.845,160.956 ; 155.61,160.216 QS3.4@156.845,160.956 ; 155.673,161.084 QS3.4@156.845,160.956 ; 155.98,161.42 QS3.4@156.845,160.956 ; 156.286,161.756 QS3.4@157.045,161.834 ; 156.3,161.818 QS3.4@157.045,161.834 ; 156.3,161.818 156.971,162.144 156.3,161.818 ; 156.3,161.818 156.983,161.521 156.3,161.818 ; 156.3,161.818 156.814,162.358 156.3,161.818 ; 156.3,161.818 156.836,161.3 156.3,161.818 ; 156.3,161.818 QS3.4@157.045,161.834
QS4-0: QS4.3 U4.70 | length 108.7
  Top Layer w0.254: U4.70@152.336,135.129 cw(c152.253,135.256) 152.145,135.149 ; U4.70@153.167,135.005 153.023,135.149 152.145,135.149 ; QS4.3@188.238,158.13 188.894,158.786 189.242,158.786 191.309,160.852 191.309,168.218 184.739,174.788 177.114,174.788 170.586,168.26 170.586,158.252 169.469,157.135 165.827,157.135 149.729,141.036 149.729,137.565 152.145,135.149 ; QS4.3@188.591,159.369 189.944,159.676 ; QS4.3@188.618,159.38 190.135,159.678 ; QS4.3@188.671,159.125 189.944,159.676 ; QS4.3@188.674,159.4 189.776,159.414 ; QS4.3@188.688,159.134 190.135,159.678 ; QS4.3@188.708,159.143 189.776,159.414 ; QS4.3@188.799,158.898 ccw(c188.799,160.24) 189.748,159.291 ; QS4.3@188.799,159.152 ccw(c188.799,161.107) 190.181,159.725 ; QS4.3@188.799,159.406 ccw(c188.799,161.974) 190.615,160.158 ; QS4.3@189.029,158.598 190.135,159.678 ; QS4.3@189.032,158.601 189.776,159.414 ; QS4.3@189.049,158.616 189.944,159.676 ; QS4.3@189.222,158.43 190.135,159.678 ; QS4.3@189.242,158.45 189.776,159.414 ; QS4.3@189.26,158.469 189.944,159.676 ; QS4.3@188.831,158.848 190.135,159.678 ; QS4.3@188.831,158.848 189.944,159.676 ; QS4.3@188.831,158.848 189.776,159.414
QS4-1: QS4.13 U4.69 | length 59
  Top Layer w0.254: U4.69@152.336,135.929 cw(c152.253,136.056) 152.145,135.949 ; U4.69@153.167,135.805 153.023,135.949 152.145,135.949 ; QS4.13@173.279,158.129 cw(c171.896,158.129) 172.874,157.151 cw(c173.852,156.173) QS4.13@173.852,157.556 ; QS4.13@173.375,158.408 173.16,157.371 ; QS4.13@173.4,158.453 173.094,157.438 ; QS4.13@173.41,158.467 172.839,157.116 ; QS4.13@173.533,158.129 cw(c172.763,158.129) 173.308,157.585 cw(c173.852,157.04) QS4.13@173.852,157.81 ; QS4.13@173.621,158.325 173.16,157.371 ; QS4.13@173.637,158.346 172.839,157.116 ; QS4.13@173.638,158.348 173.094,157.438 ; QS4.13@173.852,158.13 172.349,156.627 166.038,156.627 150.237,140.826 150.237,137.857 152.145,135.949 ; QS4.13@174.058,157.878 173.094,157.438 ; QS4.13@174.136,157.63 173.094,157.438 ; QS4.13@174.181,157.655 173.16,157.371 ; QS4.13@174.198,157.666 172.839,157.116 ; 172.839,157.116 QS4.13@173.884,158.145 ; 172.839,157.116 174.081,157.894 173.16,157.371 ; 173.094,157.438 QS4.13@173.884,158.145 ; 173.16,157.371 QS4.13@173.884,158.145
QS4-2: QS4.12 U4.68 | length 75.7
  Top Layer w0.254: U4.68@152.336,136.729 cw(c152.253,136.856) 152.145,136.749 ; U4.68@153.167,136.605 153.023,136.749 152.145,136.749 ; QS4.12@172.073,160.433 173.466,160.124 ; QS4.12@172.076,161.818 175.547,158.347 175.547,156.956 174.71,156.119 166.248,156.119 150.745,140.616 150.745,138.149 152.145,136.749 ; QS4.12@172.14,160.408 173.478,160.3 ; QS4.12@172.151,160.678 173.466,160.124 ; QS4.12@172.162,160.402 173.563,160.331 ; QS4.12@172.186,160.661 173.478,160.3 ; QS4.12@172.199,160.656 173.563,160.331 ; QS4.12@172.25,160.642 173.172,160.636 ; QS4.12@172.276,160.368 cw(c172.276,157.35) 174.41,159.484 ; QS4.12@172.276,160.622 cw(c172.276,158.217) 173.976,159.918 ; QS4.12@172.276,160.876 cw(c172.276,159.084) 173.543,160.351 ; QS4.12@172.276,161.13 cw(c172.276,159.951) 173.109,160.785 ; QS4.12@172.285,160.384 173.172,160.636 ; QS4.12@172.468,161.232 173.172,160.636 ; QS4.12@172.481,161.224 173.563,160.331 ; QS4.12@172.495,161.214 173.478,160.3 ; QS4.12@172.522,161.193 173.466,160.124 ; QS4.12@172.662,161.406 173.563,160.331 ; QS4.12@172.664,161.405 173.172,160.636 ; QS4.12@172.688,161.385 173.478,160.3 ; QS4.12@172.729,161.345 173.466,160.124 ; QS4.12@172.308,160.956 173.563,160.331 ; QS4.12@172.308,160.956 173.478,160.3 ; QS4.12@172.308,160.956 173.466,160.124 ; QS4.12@172.308,160.956 173.172,160.636
QS4-3: QS4.11 U4.67 | length 71.2
  Top Layer w0.254: U4.67@152.336,137.529 cw(c152.253,137.656) 152.145,137.549 ; U4.67@153.167,137.405 153.023,137.549 152.145,137.549 ; QS4.11@171.65,164.538 173.087,164.138 ; QS4.11@171.699,164.516 173.038,164.303 ; QS4.11@171.734,164.504 172.781,164.474 ; QS4.11@171.74,164.779 173.087,164.138 ; QS4.11@171.764,164.766 173.038,164.303 ; QS4.11@171.774,164.761 172.781,164.474 ; QS4.11@171.875,164.462 cw(c171.875,162.039) 173.589,163.753 ; QS4.11@171.875,164.716 cw(c171.875,162.906) 173.155,164.186 ; QS4.11@171.875,164.97 cw(c171.875,163.773) 172.722,164.62 ; QS4.11@172.076,165.913 172.076,165.266 176.403,160.939 176.403,157.094 174.92,155.611 166.458,155.611 151.253,140.405 151.253,138.441 152.145,137.549 ; QS4.11@172.113,165.294 173.038,164.303 ; QS4.11@172.121,165.287 172.781,164.474 ; QS4.11@172.128,165.281 173.087,164.138 ; QS4.11@172.317,165.451 173.038,164.303 ; QS4.11@172.338,165.428 173.087,164.138 ; QS4.11@172.342,165.424 172.781,164.474 ; QS4.11@172.448,165.035 ccw(c172.792,165.035) QS4.11@172.549,164.793 ; QS4.11@171.907,165.051 173.038,164.303 ; QS4.11@171.907,165.051 172.781,164.474 ; QS4.11@171.907,165.051 173.087,164.138
QS4-4: QS4.10 U4.66 | length 70.2
  Top Layer w0.254: U4.66@152.336,138.329 cw(c152.253,138.456) 152.145,138.349 ; U4.66@153.167,138.205 153.023,138.349 152.145,138.349 ; QS4.10@173.555,169.148 174.898,168.556 ; QS4.10@173.57,169.137 174.544,168.843 ; QS4.10@173.617,169.11 174.61,168.91 ; QS4.10@173.677,169.374 174.544,168.843 ; QS4.10@173.678,169.373 174.898,168.556 ; QS4.10@173.7,169.356 174.61,168.91 ; QS4.10@173.852,169.029 cw(c173.852,167.645) 174.83,168.624 cw(c175.808,169.602) QS4.10@174.425,169.602 ; QS4.10@173.852,169.283 cw(c173.852,168.513) 174.397,169.057 cw(c174.941,169.602) QS4.10@174.171,169.602 ; QS4.10@173.852,169.602 176.524,166.93 176.524,161.536 176.911,161.149 176.911,156.883 175.13,155.103 166.669,155.103 151.761,140.195 151.761,138.733 152.145,138.349 ; QS4.10@174.137,169.811 174.898,168.556 ; QS4.10@174.139,169.808 174.61,168.91 ; QS4.10@174.156,169.783 174.544,168.843 ; QS4.10@174.367,169.924 174.898,168.556 ; QS4.10@174.383,169.898 174.61,168.91 ; QS4.10@174.407,169.851 174.544,168.843 ; QS4.10@173.884,169.617 174.898,168.556 ; QS4.10@173.884,169.617 174.61,168.91 ; QS4.10@173.884,169.617 174.544,168.843
QS4-5: QS4.9 U4.65 | length 100.9
  Top Layer w0.254: U4.65@153.019,139.015 153.167,140.042 U4.65@153.315,139.015 ; U4.65@153.062,139.109 ccw(c152.81,139.362) 153.167,139.362 ccw(c153.524,139.362) U4.65@153.272,139.109 ; U4.65@153.167,139.005 153.167,140.882 166.879,154.595 175.341,154.595 177.419,156.673 177.419,161.359 177.032,161.746 177.032,172.133 QS4.9@177.053,172.155 ; QS4.9@175.748,171.552 176.595,170.312 ; QS4.9@175.784,171.483 176.777,170.392 ; QS4.9@175.837,171.359 cw(c172.953,168.474) 177.032,168.474 ; QS4.9@175.971,171.678 176.595,170.312 ; QS4.9@175.988,171.639 176.777,170.392 ; QS4.9@176.017,171.538 cw(c173.566,169.088) 177.032,169.088 ; QS4.9@176.196,171.718 cw(c174.179,169.701) 177.032,169.701 ; QS4.9@176.376,171.898 cw(c174.792,170.314) 177.032,170.314 ; QS4.9@176.514,172.126 176.929,170.459 ; QS4.9@176.516,172.099 176.956,170.894 ; QS4.9@176.519,172.083 177.032,170.627 ; QS4.9@176.556,172.077 cw(c175.406,170.927) 177.032,170.927 ; QS4.9@176.584,171.855 176.777,170.392 ; QS4.9@176.591,171.814 176.595,170.312 ; QS4.9@176.735,172.257 cw(c176.019,171.54) QS4.9@177.032,171.54 ; QS4.9@176.767,172.148 177.032,170.627 ; QS4.9@176.766,172.162 176.956,170.894 ; QS4.9@176.766,172.169 176.929,170.459 ; QS4.9@176.84,171.866 176.777,170.392 ; QS4.9@176.847,171.793 176.595,170.312 ; QS4.9@176.915,172.436 cw(c176.632,172.154) QS4.9@177.032,172.154 ; QS4.9@177.396,172.098 176.956,170.894 ; QS4.9@177.399,172.111 176.929,170.459 ; QS4.9@177.401,172.126 177.032,170.627 ; QS4.9@177.628,171.986 176.956,170.894 ; QS4.9@177.639,172.023 176.929,170.459 ; QS4.9@177.644,172.044 177.032,170.627 ; 176.595,170.312 176.274,171.779 176.777,170.392 ; 176.929,170.459 QS4.9@177.085,172.17 ; 176.956,170.894 QS4.9@177.085,172.17 ; 177.032,170.627 QS4.9@177.085,172.17
QS4-6: QS4.7 U4.64 | length 104
  Top Layer w0.254: U4.64@155.392,141.43 155.392,142.347 167.132,154.087 175.551,154.087 178.735,157.271 181.496,157.271 185.037,160.812 QS4.7@185.037,172.155 ; QS4.7@184.503,172.075 185.037,170.631 ; QS4.7@184.51,172.041 185.16,170.491 ; QS4.7@184.514,172.024 185.116,170.861 ; QS4.7@184.535,171.961 185.095,171.316 ; QS4.7@184.75,172.143 185.037,170.631 ; QS4.7@184.753,172.119 185.116,170.861 ; QS4.7@184.753,172.122 185.16,170.491 ; QS4.7@184.757,172.101 185.095,171.316 ; 185.037,168.423 cw(c189.189,168.423) QS4.7@186.253,171.359 ; 185.037,169.036 cw(c188.575,169.036) QS4.7@186.073,171.538 ; 185.037,169.649 cw(c187.962,169.649) QS4.7@185.894,171.718 ; 185.037,170.263 cw(c187.349,170.263) QS4.7@185.714,171.898 ; 185.037,170.876 cw(c186.736,170.876) QS4.7@185.534,172.077 ; QS4.7@185.037,171.489 cw(c186.123,171.489) QS4.7@185.355,172.257 ; QS4.7@185.037,172.102 cw(c185.509,172.102) QS4.7@185.175,172.436 ; QS4.7@185.307,171.814 185.505,170.339 ; QS4.7@185.317,171.89 185.319,170.421 ; QS4.7@185.383,172.12 185.095,171.316 ; QS4.7@185.385,172.13 185.037,170.631 ; QS4.7@185.386,172.142 185.116,170.861 ; QS4.7@185.387,172.157 185.16,170.491 ; QS4.7@185.564,171.826 185.505,170.339 ; QS4.7@185.573,171.868 185.319,170.421 ; QS4.7@185.614,171.994 185.095,171.316 ; QS4.7@185.629,172.052 185.037,170.631 ; QS4.7@185.632,172.065 185.116,170.861 ; QS4.7@185.637,172.103 185.16,170.491 ; QS4.7@186.159,171.626 185.319,170.421 ; QS4.7@186.178,171.666 185.505,170.339 ; QS4.7@186.356,171.462 185.319,170.421 ; QS4.7@186.396,171.531 185.505,170.339 ; 185.037,170.631 QS4.7@185.068,172.17 ; QS4.7@185.068,172.17 185.116,170.861 ; QS4.7@185.068,172.17 185.16,170.491 ; QS4.7@185.068,172.17 185.095,171.316 ; 185.319,170.421 185.879,171.779 185.505,170.339
QS4-7: QS4.6 U4.63 | length 87.4
  Top Layer w0.254: U4.63@156.192,141.43 156.192,142.385 167.386,153.579 175.762,153.579 178.946,156.763 181.706,156.763 188.238,163.294 QS4.6@188.238,169.602 ; 188.238,166.16 cw(c191.537,166.16) QS4.6@189.204,168.493 ; 188.238,166.773 cw(c190.924,166.773) QS4.6@189.025,168.672 ; 188.238,167.386 cw(c190.311,167.386) QS4.6@188.845,168.852 ; 188.238,168 cw(c189.697,168) QS4.6@188.665,169.032 ; QS4.6@188.259,168.95 188.44,167.297 ; QS4.6@188.264,168.996 188.329,167.468 ; QS4.6@188.272,169.042 188.308,167.923 ; QS4.6@188.275,169.054 188.238,167.739 ; QS4.6@188.304,169.14 188.288,168.377 ; QS4.6@188.515,168.958 188.44,167.297 ; QS4.6@188.52,168.986 188.329,167.468 ; QS4.6@188.53,169.02 188.308,167.923 ; QS4.6@188.53,169.021 188.238,167.739 ; QS4.6@188.564,169.088 188.288,168.377 ; QS4.6@189.002,168.644 188.288,168.377 ; QS4.6@189.05,168.384 188.288,168.377 ; QS4.6@189.089,168.726 188.308,167.923 ; QS4.6@189.096,168.736 188.238,167.739 ; QS4.6@189.119,168.778 188.329,167.468 ; QS4.6@189.132,168.809 188.44,167.297 ; QS4.6@189.252,168.525 188.308,167.923 ; QS4.6@189.274,168.55 188.238,167.739 ; QS4.6@189.327,168.627 188.329,167.468 ; QS4.6@189.356,168.685 188.44,167.297 ; 188.238,167.739 QS4.6@188.831,168.913 ; 188.288,168.377 QS4.6@188.831,168.913 ; 188.308,167.923 QS4.6@188.831,168.913 ; 188.329,167.468 QS4.6@188.831,168.913 ; 188.44,167.297 QS4.6@188.831,168.913
QS4-8: QS4.5 U4.62 | length 70.8
  Top Layer w0.254: U4.62@156.992,141.43 157.136,141.574 157.136,142.451 ; U4.62@157.116,142.26 cw(c157.244,142.344) 157.136,142.451 ; 188.895,163.233 ccw(c187.093,165.035) QS4.5@189.642,165.035 ; 189.329,163.667 ccw(c187.96,165.035) QS4.5@189.896,165.035 ; QS4.5@189.7,165.223 189.636,164.068 ; QS4.5@189.721,165.28 189.331,163.669 ; QS4.5@189.73,165.299 189.392,163.935 ; 189.762,164.1 ccw(c188.827,165.035) QS4.5@190.15,165.035 ; QS4.5@189.888,164.564 cw(c189.721,164.324) 190.014,164.324 ; QS4.5@189.955,165.18 189.636,164.068 ; QS4.5@189.965,165.2 189.331,163.669 ; QS4.5@189.973,165.215 189.392,163.935 ; QS4.5@190.014,165.913 190.014,164.352 181.957,156.296 181.957,156.256 181.956,156.255 179.156,156.255 175.972,153.071 167.755,153.071 157.136,142.451 ; QS4.5@190.476,164.829 189.392,163.935 ; QS4.5@190.491,164.847 189.636,164.068 ; QS4.5@190.494,164.85 189.331,163.669 ; QS4.5@190.621,164.617 189.392,163.935 ; QS4.5@190.643,164.637 189.636,164.068 ; QS4.5@190.662,164.656 189.331,163.669 ; 189.331,163.669 QS4.5@190.246,165.051 ; 189.392,163.935 QS4.5@190.246,165.051 ; 189.636,164.068 QS4.5@190.246,165.051
QS4-9: QS4.4 U4.61 | length 64.4
  Top Layer w0.254: U4.61@157.792,141.43 157.936,141.574 157.936,142.451 ; U4.61@157.916,142.26 cw(c158.044,142.344) 157.936,142.451 ; QS4.4@189.609,161.413 ccw(c188.631,160.435) 188.631,161.818 ccw(c188.631,163.202) QS4.4@189.609,162.224 ; QS4.4@189.789,161.593 ccw(c189.244,161.048) 189.244,161.818 ccw(c189.244,162.589) QS4.4@189.789,162.044 ; QS4.4@189.859,162.375 188.989,161.771 ; QS4.4@189.874,161.287 188.989,161.866 ; QS4.4@189.907,162.39 188.989,161.866 ; QS4.4@189.924,161.274 188.989,161.771 ; QS4.4@189.929,162.395 188.565,161.818 ; QS4.4@189.941,161.27 188.565,161.818 ; QS4.4@189.979,162.146 188.989,161.771 ; QS4.4@189.988,161.52 188.989,161.866 ; QS4.4@190.007,162.15 188.989,161.866 ; QS4.4@190.008,162.15 188.565,161.818 ; QS4.4@190.015,161.516 188.565,161.818 ; QS4.4@190.014,161.818 188.199,161.818 183.07,156.69 183.07,153.96 183.026,153.915 183.026,153.808 181.781,152.563 168.047,152.563 157.936,142.451 ; QS4.4@190.017,161.516 188.989,161.771 ; 188.565,161.818 QS4.4@190.046,161.834 ; 188.989,161.771 QS4.4@190.046,161.834 ; 188.989,161.866 QS4.4@190.046,161.834
QS5-0: QS5.3 U4.50 | length 128
  Top Layer w0.254: U4.50@166.592,141.43 166.736,141.574 166.736,142.451 ; U4.50@166.716,142.26 cw(c166.844,142.344) 166.736,142.451 ; QS5.3@230.496,158.13 233.219,160.852 233.219,168.218 227.29,174.147 218.62,174.147 212.115,167.642 212.115,152.592 206.498,146.975 171.259,146.975 166.736,142.451 ; QS5.3@230.517,159.367 231.869,159.683 ; QS5.3@230.545,159.38 232.044,159.677 ; QS5.3@230.599,159.124 231.869,159.683 ; QS5.3@230.601,159.399 231.686,159.414 ; QS5.3@230.616,159.133 232.044,159.677 ; QS5.3@230.635,159.142 231.686,159.414 ; QS5.3@230.709,158.898 ccw(c230.709,160.24) 231.658,159.291 ; QS5.3@230.709,159.152 ccw(c230.709,161.107) 232.091,159.725 ; QS5.3@230.709,159.406 ccw(c230.709,161.974) 232.525,160.158 ; QS5.3@230.96,158.6 232.044,159.677 ; QS5.3@230.964,158.603 231.686,159.414 ; QS5.3@230.98,158.617 231.869,159.683 ; QS5.3@231.155,158.434 232.044,159.677 ; QS5.3@231.177,158.455 231.686,159.414 ; QS5.3@231.191,158.472 231.869,159.683 ; QS5.3@230.76,158.848 232.044,159.677 ; QS5.3@230.76,158.848 231.869,159.683 ; QS5.3@230.76,158.848 231.686,159.414
QS5-1: QS5.13 U4.49 | length 64.2
  Top Layer w0.254: U4.49@167.392,141.43 167.536,141.574 167.536,142.451 ; U4.49@167.516,142.26 cw(c167.644,142.344) 167.536,142.451 ; QS5.13@215.654,158.238 215.762,158.13 215.762,155.52 206.709,146.467 171.551,146.467 167.536,142.451 ; QS5.13@215.821,157.592 215.762,156.286 ; QS5.13@216.076,157.555 215.762,156.286 ; QS5.13@216.374,157.441 215.762,156.286 ; QS5.13@216.636,157.258 215.762,156.286 ; QS5.13@216.809,157.068 215.762,156.286
QS5-2: QS5.12 U4.48 | length 97.3
  Top Layer w0.254: U4.48@168.192,141.43 168.336,141.574 168.336,142.451 ; U4.48@168.316,142.26 cw(c168.444,142.344) 168.336,142.451 ; QS5.12@213.986,161.818 214.109,161.818 217.457,158.47 217.457,156.497 206.919,145.959 171.843,145.959 168.336,142.451 ; QS5.12@214.008,160.431 215.399,160.138 ; QS5.12@214.07,160.408 215.537,160.26 ; QS5.12@214.084,160.676 215.399,160.138 ; QS5.12@214.117,160.66 215.537,160.26 ; QS5.12@214.124,160.394 215.522,160.405 ; QS5.12@214.145,160.651 215.522,160.405 ; QS5.12@214.175,160.643 215.231,160.596 ; QS5.12@214.186,160.368 cw(c214.186,157.052) 216.531,159.397 ; QS5.12@214.186,160.622 cw(c214.186,157.919) 216.097,159.83 ; QS5.12@214.186,160.876 cw(c214.186,158.787) 215.663,160.264 ; QS5.12@214.186,161.13 cw(c214.186,159.654) 215.23,160.698 ; QS5.12@214.195,160.385 215.231,160.596 ; QS5.12@214.389,161.236 215.231,160.596 ; QS5.12@214.395,161.233 215.522,160.405 ; QS5.12@214.417,161.219 215.537,160.26 ; QS5.12@214.448,161.195 215.399,160.138 ; QS5.12@214.566,161.425 215.522,160.405 ; QS5.12@214.571,161.422 215.231,160.596 ; QS5.12@214.6,161.399 215.537,160.26 ; QS5.12@214.654,161.349 215.399,160.138 ; QS5.12@214.237,160.956 215.522,160.405 ; QS5.12@214.237,160.956 215.399,160.138 ; QS5.12@214.237,160.956 215.537,160.26 ; QS5.12@214.237,160.956 215.231,160.596
QS5-3: QS5.11 U4.47 | length 114.8
  Top Layer w0.254: U4.47@168.992,141.43 169.136,141.574 169.136,142.451 ; U4.47@169.116,142.26 cw(c169.244,142.344) 169.136,142.451 ; QS5.11@213.625,164.518 215.151,164.221 ; QS5.11@213.694,164.495 215.194,164.408 ; QS5.11@213.695,164.765 215.151,164.221 ; QS5.11@213.697,165.466 215.13,164.768 ; QS5.11@213.731,164.749 215.194,164.408 ; QS5.11@213.767,164.482 215.165,164.601 ; QS5.11@213.769,164.739 215.165,164.601 ; QS5.11@213.785,164.462 cw(c213.785,160.477) 216.603,163.295 ; QS5.11@213.785,164.716 cw(c213.785,161.344) 216.17,163.729 ; QS5.11@213.785,164.97 cw(c213.785,162.212) 215.736,164.162 ; QS5.11@213.785,165.224 cw(c213.785,163.079) 215.303,164.596 ; QS5.11@213.785,165.478 cw(c213.785,163.946) 214.869,165.03 ; QS5.11@213.785,165.732 cw(c213.785,164.813) QS5.11@214.435,165.463 ; QS5.11@213.785,165.986 cw(c213.785,165.68) QS5.11@214.002,165.897 ; QS5.11@213.827,165.687 215.13,164.768 ; QS5.11@213.851,164.732 214.858,164.937 ; QS5.11@213.92,165.358 214.858,164.937 ; QS5.11@213.934,164.486 214.858,164.937 ; QS5.11@213.972,165.339 215.165,164.601 ; QS5.11@213.986,165.913 218.491,161.408 218.491,156.812 218.266,156.587 218.266,156.576 207.088,145.398 206.761,145.398 206.709,145.451 172.135,145.451 169.136,142.451 ; QS5.11@214.002,165.323 215.194,164.408 ; QS5.11@214.033,165.301 215.151,164.221 ; QS5.11@214.036,165.928 215.13,164.768 ; QS5.11@214.056,165.58 214.858,164.937 ; QS5.11@214.127,165.544 215.165,164.601 ; QS5.11@214.176,165.512 215.194,164.408 ; QS5.11@214.226,165.471 215.151,164.221 ; QS5.11@214.289,166.123 215.13,164.768 ; QS5.11@214.517,166.24 215.13,164.768 ; QS5.11@213.836,165.051 215.151,164.221 ; QS5.11@213.836,165.051 215.194,164.408 ; QS5.11@213.836,165.051 215.165,164.601 ; QS5.11@213.836,165.051 214.858,164.937
QS5-4: QS5.10 U4.46 | length 120.7
  Top Layer w0.254: U4.46@169.792,141.43 169.936,141.574 169.936,142.451 ; U4.46@169.916,142.26 cw(c170.044,142.344) 169.936,142.451 ; QS5.10@215.201,168.325 cw(c215.201,163.888) 218.338,167.026 ; QS5.10@215.201,168.579 cw(c215.201,164.755) 217.905,167.459 ; QS5.10@215.201,168.833 cw(c215.201,165.623) 217.471,167.893 ; QS5.10@215.201,169.087 cw(c215.201,166.49) 217.038,168.326 ; QS5.10@215.201,169.341 cw(c215.201,167.357) 216.604,168.76 ; QS5.10@215.201,169.595 cw(c215.201,168.224) QS5.10@216.17,169.194 ; QS5.10@215.201,169.849 cw(c215.201,169.092) QS5.10@215.737,169.627 ; QS5.10@215.331,169.307 216.41,168.157 ; QS5.10@215.384,169.237 216.579,168.322 ; QS5.10@215.438,169.184 216.723,168.449 ; QS5.10@215.468,169.16 216.5,168.739 ; QS5.10@215.48,169.151 216.818,168.546 ; QS5.10@215.531,169.467 216.41,168.157 ; QS5.10@215.557,169.426 216.579,168.322 ; QS5.10@215.584,169.395 216.723,168.449 ; QS5.10@215.592,169.386 216.5,168.739 ; QS5.10@215.605,169.375 216.818,168.546 ; QS5.10@215.762,169.602 218.999,166.365 218.999,161.618 219.051,161.566 219.051,156.654 218.774,156.376 218.774,156.365 207.299,144.89 206.551,144.89 206.498,144.943 172.427,144.943 169.936,142.451 ; QS5.10@216.068,169.809 216.818,168.546 ; QS5.10@216.084,169.785 216.723,168.449 ; QS5.10@216.09,169.775 216.5,168.739 ; QS5.10@216.103,169.749 216.579,168.322 ; QS5.10@216.119,169.707 216.41,168.157 ; QS5.10@216.299,169.92 216.818,168.546 ; QS5.10@216.325,169.875 216.723,168.449 ; QS5.10@216.34,169.842 216.5,168.739 ; QS5.10@216.353,169.809 216.579,168.322 ; QS5.10@216.374,169.734 216.41,168.157 ; QS5.10@215.813,169.617 216.818,168.546 ; QS5.10@215.813,169.617 216.41,168.157 ; QS5.10@215.813,169.617 216.579,168.322 ; QS5.10@215.813,169.617 216.723,168.449 ; QS5.10@215.813,169.617 216.5,168.739